# Altium PCB DD2090_4CAM_FFC.PcbDoc (part 3 of 4) (continued)
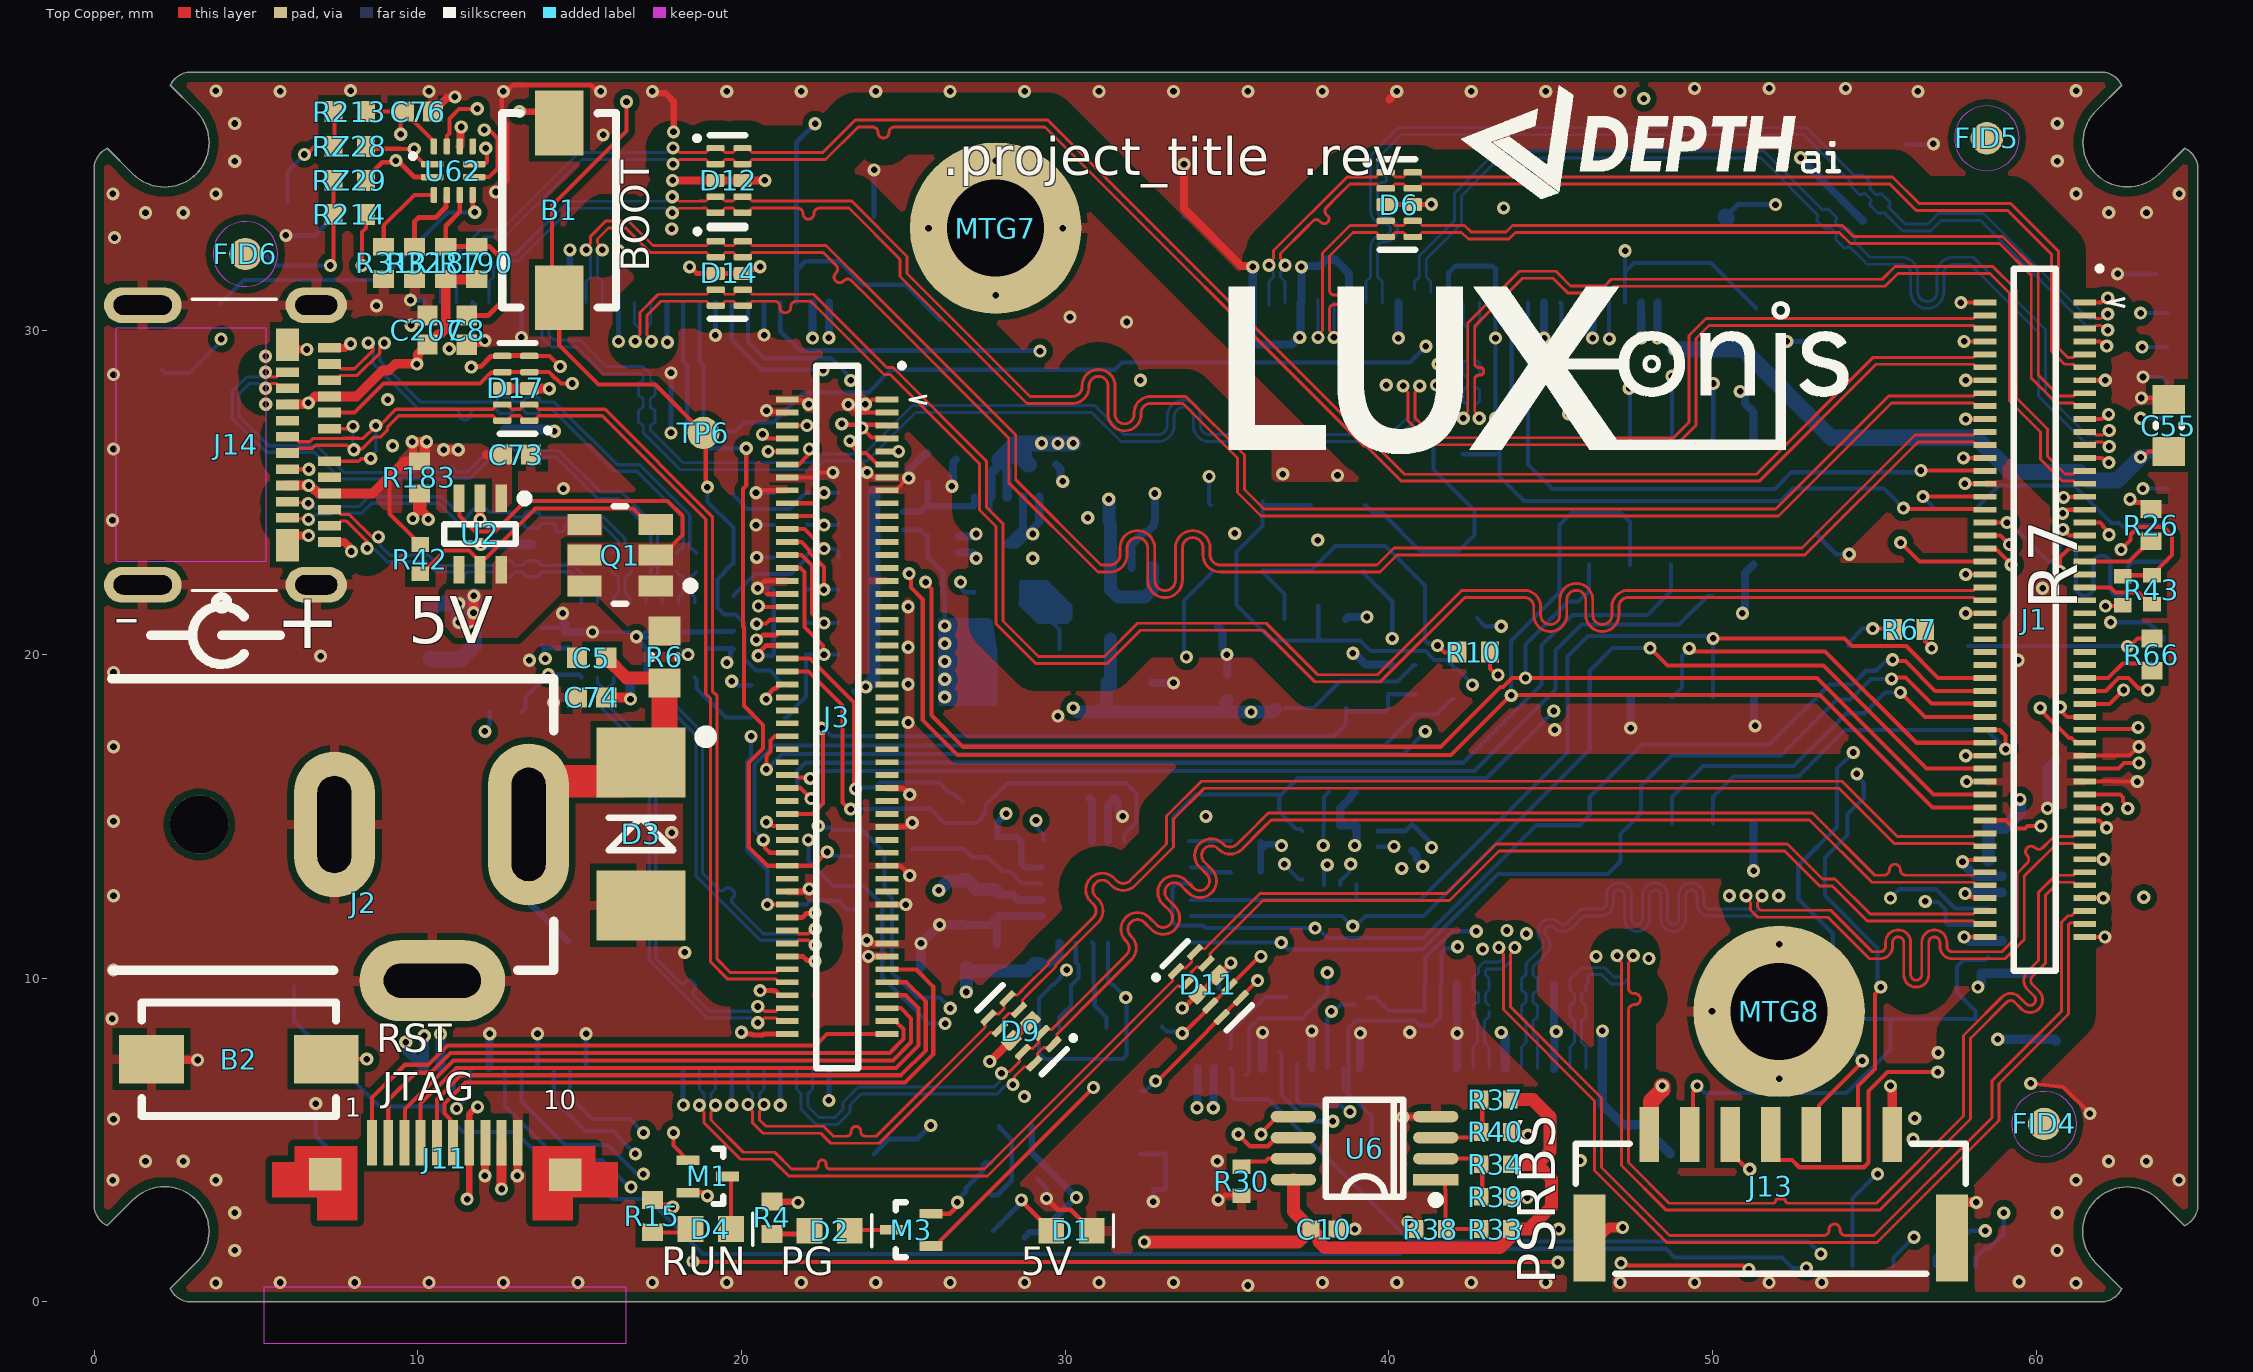
[diagram p0: Top Copper view]
## Nets (pads, with @x,y where several pads share a name; then routed paths per layer and width w, separated by ;. In a path a pad name is that pad's centre, name@x,y a point inside that pad or via, vN(x,y) a via of type N, cw(c..) or ccw(c..) an arc to the next point about the centre after c; other vN are vias at no path point) (continued)
  Layer 2 w0.127: v1(22.525,28.787) 22.931,28.787 23.019,28.875 23.725,28.875 25.825,26.775 25.825,24.714 25.55,24.439 25.55,22.454 25.69,22.315 v1(25.69,22.24)
  Bottom Layer w0.127: J10.20@19.7,30.875 19.7,29.725 20.625,28.8 22.512,28.8 v1(22.525,28.787) ; v1(44.223,19.275) 44.223,20.317 45.545,21.639 45.866,21.639 46.183,21.955 J4.2@46.183,22.775
I2C3_SDA: J1.80 J4.4 J10.21 | length 62
  Top Copper w0.127: v1(25.182,22.5) 25.235,22.447 25.235,22.181 ; 25.234,22.18 25.234,22.075 25.6,21.709 25.6,17.975 26.675,16.9 41.923,16.9 43.761,18.738 v1(43.785,18.738) ; v1@43.773,18.75 53.322,18.75 56.797,15.275 J1.80@58.42,15.275
  Layer 2 w0.127: v1(23.375,28.468) 23.778,28.468 25.538,26.707 25.538,25.297 25.225,24.984 25.225,22.543 v1(25.182,22.5)
  Bottom Layer w0.127: J10.21@20.2,30.875 20.2,29.65 20.695,29.155 22.77,29.155 23.039,28.886 23.264,28.661 23.264,28.654 23.375,28.544 v1(23.375,28.468) ; v1(43.785,18.738) 43.773,18.75 43.773,20.425 45.273,21.925 45.273,23.998 45.648,24.373 47.174,24.373 47.453,24.095 J4.4@47.453,22.775
LX1: L1.1 U1.6 U1.7 | length 2.6
  Bottom Layer w0.127: U1.7@28.7,21.925 U1.6@29.2,21.925 29.2,21.31 29.398,21.111 29.488,21.111 29.825,20.775 L1.1@29.825,20.175
MIPI1_C_N: D8.1 D8.10 J1.3 J6.8 | length 32.4
  Top Copper w0.089: J1.3@61.5,30.475 61.76,30.475 61.855,30.38 61.999,30.38 62.139,30.519 v1(62.21,30.519)
  Bottom Layer w0.089: J6.8@39.298,30.875 39.298,31.525 39.44,31.667 39.44,32.025 39.44,32.58 cw(c39.827,32.58) 39.827,32.967 39.885,32.967 ccw(c39.885,33.139) 39.885,33.31 39.827,33.31 cw(c39.827,33.698) 39.44,33.698 39.44,33.85 39.44,35.175 39.44,35.415 40.3,36.275 52.905,36.275 54.378,34.802 54.535,34.802 54.557,34.824 54.635,34.824 D8.10@54.762,34.698 54.889,34.571 54.889,34.493 54.866,34.47 54.866,34.392 55.047,34.212 55.125,34.212 55.147,34.234 55.225,34.234 D8.1@55.352,34.107 55.479,33.98 55.479,33.902 55.457,33.88 55.457,33.802 55.958,33.3 56.65,33.3 56.975,33.625 58.375,33.625 61.62,30.38 61.999,30.38 62.139,30.519 v1(62.21,30.519)
MIPI1_C_P: D8.2 D8.9 J1.5 J6.9 | length 32.3
  Top Copper w0.089: J1.5@61.5,30.075 61.76,30.075 61.849,30.164 61.999,30.164 62.139,30.024 v1(62.21,30.024)
  Bottom Layer w0.089: J6.9@39.798,30.875 39.798,31.525 39.656,31.667 39.656,32.025 39.656,32.58 cw(c39.827,32.58) 39.827,32.751 39.885,32.751 ccw(c39.885,33.139) 39.885,33.526 39.827,33.526 cw(c39.827,33.698) 39.656,33.698 39.656,33.85 39.656,34.175 39.656,34.461 cw(c39.776,34.461) 39.776,34.581 39.814,34.581 ccw(c39.814,34.702) 39.814,34.823 39.776,34.823 cw(c39.776,34.943) 39.656,34.943 39.656,35.175 39.656,35.325 40.389,36.059 52.815,36.059 54.277,34.598 54.277,34.475 54.535,34.217 54.613,34.217 54.635,34.239 54.714,34.239 54.894,34.059 54.894,33.981 54.872,33.958 54.872,33.88 D8.2@54.999,33.754 55.125,33.627 55.203,33.627 55.226,33.649 55.304,33.649 55.869,33.084 56.739,33.084 57.064,33.409 58.286,33.409 61.531,30.164 61.999,30.164 62.139,30.024 v1(62.21,30.024)
MIPI1_D0_N: D6.1 D6.10 J1.9 J6.2 | length 32.3
  Top Copper w0.089: v1(36.3,32.025) 36.3,32.096 36.44,32.236 36.44,32.483 38.715,34.758 39.615,34.758 39.671,34.813 39.671,34.845 39.726,34.9 D6.1@39.905,34.9 40.085,34.9 40.14,34.845 40.14,34.813 40.195,34.758 40.45,34.758 40.506,34.813 40.506,34.845 40.561,34.9 D6.10@40.74,34.9 40.92,34.9 40.975,34.845 40.975,34.813 41.03,34.758 55.566,34.758 56.387,33.937 59.213,33.937 60.691,32.459 60.691,29.462 60.97,29.183 61.148,29.183 61.24,29.275 J1.9@61.5,29.275
  Bottom Layer w0.089: J6.2@36.298,30.786 J6.2@36.298,30.875 36.298,31.525 36.44,31.667 36.44,31.814 36.3,31.954 v1(36.3,32.025)
MIPI1_D0_P: D6.2 D6.9 J1.11 J6.3 | length 32.3
  Top Copper w0.089: v1(36.795,32.025) 36.795,32.096 36.656,32.236 36.656,32.394 37.417,33.155 37.655,33.393 cw(c37.759,33.29) 37.862,33.393 37.902,33.353 ccw(c38.005,33.456) 38.109,33.353 ccw(c38.005,33.456) 38.109,33.56 38.068,33.6 cw(c38.172,33.703) 38.068,33.806 38.455,34.193 38.804,34.542 39.615,34.542 39.671,34.487 39.671,34.455 39.726,34.4 D6.2@39.905,34.4 40.085,34.4 40.14,34.455 40.14,34.487 40.195,34.542 40.45,34.542 40.506,34.487 40.506,34.455 40.561,34.4 D6.9@40.74,34.4 40.92,34.4 40.975,34.455 40.975,34.487 41.03,34.542 55.477,34.542 56.298,33.721 59.123,33.721 60.475,32.37 60.475,29.373 60.881,28.967 61.148,28.967 61.24,28.875 J1.11@61.5,28.875
  Bottom Layer w0.089: v1(36.795,32.025) 36.795,31.954 36.656,31.814 36.656,31.667 36.798,31.525 J6.3@36.798,30.875
MIPI1_D1_N: D6.4 D6.7 J1.15 J6.5 | length 32.3
  Top Copper w0.089: v1(37.813,29.8) 37.813,29.871 37.952,30.011 37.952,32.405 38.806,33.258 39.615,33.258 39.671,33.313 39.671,33.345 39.726,33.4 D6.4@39.905,33.4 40.085,33.4 40.14,33.345 40.14,33.313 40.195,33.258 40.45,33.258 40.506,33.313 40.506,33.345 40.561,33.4 D6.7@40.74,33.4 40.92,33.4 40.975,33.345 40.975,33.313 41.03,33.258 42.339,33.258 42.547,33.05 43.617,33.05 43.825,33.258 54.007,33.258 54.35,32.916 58.959,32.916 60.066,31.809 60.066,28.634 60.717,27.983 61.148,27.983 61.24,28.075 J1.15@61.5,28.075
  Bottom Layer w0.089: J6.5@37.798,30.964 37.813,30.95 v1(37.813,29.8)
MIPI1_D1_P: D6.5 D6.6 J1.17 J6.6 | length 32.3
  Top Copper w0.089: v1(38.308,29.8) 38.308,29.871 38.168,30.011 38.168,30.33 38.168,30.667 cw(c38.314,30.667) 38.314,30.813 38.372,30.813 ccw(c38.372,30.959) 38.372,31.105 38.314,31.105 cw(c38.314,31.251) 38.168,31.251 38.168,31.85 38.168,32.315 38.895,33.042 39.615,33.042 39.671,32.987 39.671,32.955 39.726,32.9 D6.5@39.905,32.9 40.085,32.9 40.14,32.955 40.14,32.987 40.195,33.042 40.45,33.042 40.506,32.987 40.506,32.955 40.561,32.9 D6.6@40.74,32.9 40.92,32.9 40.975,32.955 40.975,32.987 41.03,33.042 42.25,33.042 42.458,32.834 43.706,32.834 43.914,33.042 53.918,33.042 54.26,32.7 58.87,32.7 59.85,31.72 59.85,28.545 60.628,27.767 61.148,27.767 61.24,27.675 J1.17@61.5,27.675
  Bottom Layer w0.089: J6.6@38.298,30.875 38.308,30.865 v1(38.308,29.8)
MIPI1_D2_N: D8.4 D8.7 J1.21 J6.11 | length 32.3
  Top Copper w0.089: J1.21@61.5,26.875 61.76,26.875 61.852,26.783 62.05,26.783 62.189,26.923 v1(62.261,26.923)
  Bottom Layer w0.089: J6.11@40.798,31.289 40.798,31.525 40.94,31.667 40.94,32.314 42.026,33.401 42.026,34.253 43.326,35.553 51.584,35.553 53.395,33.742 53.474,33.742 53.496,33.764 53.574,33.764 D8.7@53.701,33.637 53.828,33.51 53.828,33.432 53.806,33.41 53.806,33.331 53.986,33.151 54.064,33.151 54.087,33.173 54.165,33.173 D8.4@54.291,33.046 54.418,32.92 54.418,32.842 54.396,32.819 54.396,32.741 54.625,32.512 54.862,32.275 54.875,32.275 55.832,32.275 cw(c55.832,31.765) 56.343,31.765 56.343,31.206 ccw(c56.637,31.206) 56.931,31.206 56.931,31.765 cw(c57.442,31.765) 57.442,32.275 58.055,32.275 58.375,31.955 60.291,30.039 60.291,28.067 61.575,26.783 62.05,26.783 62.189,26.923 v1(62.261,26.923)
MIPI1_D2_P: D8.5 D8.6 J1.23 J6.12 | length 32.3
  Top Copper w0.089: J1.23@61.5,26.475 61.76,26.475 61.852,26.567 62.049,26.567 62.189,26.427 v1(62.26,26.427)
  Bottom Layer w0.089: J6.12@41.298,31.2 41.298,31.525 41.156,31.667 41.156,32.225 42.242,33.311 42.242,34.164 43.415,35.337 43.725,35.337 44.01,35.337 cw(c44.01,35.216) 44.131,35.216 ccw(c44.252,35.216) 44.372,35.216 ; 44.372,35.216 cw(c44.493,35.216) 44.493,35.337 44.923,35.337 51.495,35.337 53.243,33.589 53.243,33.51 53.221,33.488 53.221,33.41 D8.6@53.347,33.283 53.474,33.156 53.552,33.156 53.575,33.179 53.653,33.179 53.833,32.998 53.833,32.92 53.811,32.898 53.811,32.82 D8.5@53.938,32.693 54.065,32.566 54.143,32.566 54.165,32.588 54.243,32.588 54.6,32.231 54.773,32.059 54.875,32.059 55.832,32.059 cw(c55.832,31.765) 56.127,31.765 56.127,31.206 ccw(c56.637,31.206) 57.147,31.206 57.147,31.765 cw(c57.442,31.765) 57.442,32.059 57.966,32.059 58.375,31.65 60.075,29.95 60.075,27.978 61.486,26.567 62.049,26.567 62.189,26.427 v1(62.26,26.427)
MIPI1_D3_N: D10.1 D10.10 J1.27 J6.14 | length 32.3
  Top Copper w0.089: v1(42.3,27.3) 42.3,27.371 42.44,27.511 42.44,29.5 42.44,30.242 44.039,31.841 45.167,31.841 45.617,31.391 46.672,31.391 46.875,31.594 55.244,31.594 55.641,31.991 58.659,31.991 59.391,31.259 59.391,27.925 60.35,26.966 60.35,26.125 60.892,25.583 61.148,25.583 61.24,25.675 J1.27@61.5,25.675
  Bottom Layer w0.089: J6.14@42.298,30.875 42.298,30.225 42.44,30.083 42.44,29.125 42.384,29.07 42.353,29.07 42.298,29.015 D10.1@42.298,28.835 42.298,28.656 42.353,28.6 42.384,28.6 42.44,28.545 42.44,28.29 42.384,28.235 42.353,28.235 42.298,28.18 D10.10@42.298,28 42.298,27.821 42.353,27.765 42.384,27.765 42.44,27.71 42.44,27.511 42.3,27.371 v1(42.3,27.3)
MIPI1_D3_P: D10.2 D10.9 J1.29 J6.15 | length 32.3
  Top Copper w0.089: v1(42.795,27.3) 42.795,27.371 42.656,27.511 42.656,28.225 42.656,28.511 cw(c42.776,28.511) 42.776,28.631 42.814,28.631 ccw(c42.814,28.752) 42.814,28.873 42.776,28.873 cw(c42.776,28.993) 42.656,28.993 42.656,29.5 42.656,30.153 44.128,31.625 45.078,31.625 45.325,31.378 45.528,31.175 46.762,31.175 46.964,31.378 55.333,31.378 55.73,31.775 58.57,31.775 59.175,31.17 59.175,27.836 60.134,26.876 60.134,26.036 60.803,25.367 61.148,25.367 61.24,25.275 J1.29@61.5,25.275
  Bottom Layer w0.089: v1(42.795,27.3) 42.795,27.371 42.656,27.511 42.656,27.71 42.711,27.765 42.743,27.765 42.798,27.821 D10.9@42.798,28 42.798,28.18 42.743,28.235 42.711,28.235 42.656,28.29 42.656,28.545 42.711,28.6 42.743,28.6 42.798,28.656 D10.2@42.798,28.835 42.798,29.015 42.743,29.07 42.711,29.07 42.656,29.125 42.656,30.083 42.798,30.225 J6.15@42.798,30.875
MIPI2_C_N: D13.1 D13.10 J1.4 J10.8 | length 57.1
  Top Copper w0.089: v1(40.956,28.3) 40.956,28.238 40.807,28.089 40.807,27.315 41.425,26.697 48.795,26.697 49.273,27.175 49.273,29.855 49.8,30.383 57.718,30.383 58.068,30.383 58.16,30.475 J1.4@58.42,30.475
  Bottom Layer w0.089: J10.8@13.7,30.875 13.7,30.225 13.842,30.083 13.842,29.786 14.127,29.501 14.919,29.501 15.735,28.685 16.874,28.685 16.967,28.592 16.967,28.483 16.912,28.427 16.88,28.427 16.825,28.372 D13.1@16.825,28.192 16.825,28.013 16.88,27.958 16.912,27.958 16.967,27.902 16.967,27.648 16.912,27.592 16.88,27.592 16.825,27.537 D13.10@16.825,27.357 16.825,27.178 16.88,27.123 16.912,27.123 16.967,27.067 16.967,26.85 18.108,25.71 22.259,25.71 22.528,25.979 23.879,25.979 25.375,27.475 30.825,27.475 31.722,26.578 32.707,26.578 32.859,26.578 ccw(c32.859,27.088) 33.37,27.088 33.37,27.351 cw(c33.664,27.351) 33.959,27.351 33.959,27.088 ccw(c34.469,27.088) 34.469,26.578 36.573,26.578 40.134,26.578 40.807,27.251 40.807,28.089 40.956,28.238 v1(40.956,28.3)
MIPI2_C_P: D13.2 D13.9 J1.6 J10.9 | length 57.1
  Top Copper w0.089: v1(40.443,28.3) 40.443,28.238 40.592,28.089 40.592,27.226 41.336,26.481 48.884,26.481 49.489,27.086 49.489,29.766 49.89,30.167 57.629,30.167 58.068,30.167 58.16,30.075 J1.6@58.42,30.075
  Bottom Layer w0.089: J10.9@14.2,30.875 14.2,30.225 14.058,30.083 14.058,29.875 14.216,29.716 15.009,29.716 15.824,28.901 16.964,28.901 17.183,28.682 17.183,28.483 17.238,28.427 17.27,28.427 17.325,28.372 D13.2@17.325,28.192 17.325,28.013 17.27,27.958 17.238,27.958 17.183,27.902 17.183,27.648 17.238,27.592 17.27,27.592 17.325,27.537 D13.9@17.325,27.357 17.325,27.178 17.27,27.123 17.238,27.123 17.183,27.067 17.183,26.94 18.197,25.926 22.17,25.926 22.439,26.195 23.79,26.195 25.286,27.691 30.914,27.691 31.812,26.794 32.707,26.794 32.859,26.794 ccw(c32.859,27.088) 33.154,27.088 33.154,27.351 cw(c33.664,27.351) 34.175,27.351 34.175,27.088 ccw(c34.469,27.088) 34.469,26.794 36.573,26.794 37.631,26.794 38.943,26.794 ccw(c38.943,26.94) 39.089,26.94 39.089,26.952 cw(c39.235,26.952) 39.381,26.952 39.381,26.94 ccw(c39.527,26.94) 39.527,26.794 39.864,26.794 40.045,26.794 40.592,27.341 40.592,28.089 40.443,28.238 v1(40.443,28.3)
MIPI2_D0_N: D12.1 D12.10 J1.10 J10.2 | length 57.1
  Top Copper w0.089: v1(17.885,35.654) 17.953,35.654 18.095,35.512 18.521,35.512 18.525,35.508 18.908,35.508 18.963,35.563 18.963,35.595 19.018,35.65 D12.1@19.198,35.65 19.377,35.65 19.432,35.595 19.432,35.563 19.488,35.508 19.743,35.508 19.798,35.563 19.798,35.595 19.853,35.65 D12.10@20.033,35.65 20.212,35.65 20.267,35.595 20.267,35.563 20.323,35.508 22.511,35.508 23.519,36.516 29.463,36.516 39.315,26.665 39.388,26.665 40.481,25.572 51.356,25.572 54.966,29.183 57.743,29.183 58.068,29.183 58.16,29.275 J1.10@58.42,29.275
  Bottom Layer w0.089: J10.2@10.7,30.875 10.7,31.525 10.842,31.667 10.842,32.014 11.944,33.116 12.586,33.116 14.982,35.512 17.674,35.512 17.816,35.654 v1(17.885,35.654)
MIPI2_D0_P: D12.2 D12.9 J1.12 J10.3 | length 57.2
  Top Copper w0.089: v1(17.885,35.154) 17.954,35.154 18.096,35.296 18.431,35.296 18.435,35.292 18.908,35.292 18.963,35.237 18.963,35.205 19.018,35.15 D12.2@19.198,35.15 19.377,35.15 19.432,35.205 19.432,35.237 19.488,35.292 19.743,35.292 19.798,35.237 19.798,35.205 19.853,35.15 D12.9@20.033,35.15 20.212,35.15 20.267,35.205 20.267,35.237 20.323,35.292 22.6,35.292 23.608,36.3 23.667,36.3 24.05,36.3 cw(c24.05,36.131) 24.22,36.131 24.22,36.126 ccw(c24.389,36.126) 24.389,35.957 ; 24.389,35.957 ccw(c24.389,36.126) 24.558,36.126 24.558,36.131 cw(c24.728,36.131) 24.728,36.3 25.546,36.3 29.374,36.3 39.225,26.449 39.299,26.449 40.391,25.356 51.445,25.356 55.056,28.967 57.654,28.967 58.068,28.967 58.16,28.875 J1.12@58.42,28.875
  Bottom Layer w0.089: J10.3@11.2,30.875 11.2,31.525 11.058,31.667 11.058,31.925 12.033,32.9 12.675,32.9 15.071,35.296 17.674,35.296 17.816,35.154 v1(17.885,35.154)
MIPI2_D1_N: D12.4 D12.7 J1.16 J10.5 | length 57.2
  Top Copper w0.089: v1(17.861,34.144) 17.932,34.144 18.072,34.005 18.705,34.005 18.709,34.008 18.908,34.008 18.963,34.063 18.963,34.095 19.018,34.15 D12.4@19.198,34.15 19.377,34.15 19.432,34.095 19.432,34.063 19.488,34.008 19.743,34.008 19.798,34.063 19.798,34.095 19.853,34.15 D12.7@20.033,34.15 20.212,34.15 20.267,34.095 20.267,34.063 20.323,34.008 23.408,34.008 25.116,32.3 25.116,31.772 28.913,27.975 30.075,27.975 30.227,27.975 ccw(c30.227,28.269) 30.522,28.269 30.522,28.299 cw(c31.032,28.299) 31.543,28.299 31.543,27.423 ccw(c31.837,27.423) 32.131,27.423 32.131,27.465 cw(c32.642,27.465) 32.642,27.975 33.375,27.975 33.729,27.975 35.539,26.164 35.539,25.098 36.143,24.494 51.952,24.494 55.441,27.983 57.846,27.983 58.068,27.983 58.16,28.075 J1.16@58.42,28.075
  Bottom Layer w0.089: J10.5@12.2,30.875 12.2,31.525 12.342,31.667 12.342,31.947 12.761,32.366 13.011,32.366 14.649,34.005 17.65,34.005 17.79,34.144 v1(17.861,34.144)
MIPI2_D1_P: D12.5 D12.6 J1.18 J10.6 | length 57.2
  Top Copper w0.089: v1(17.861,33.649) 17.932,33.649 18.072,33.789 18.795,33.789 18.798,33.792 18.908,33.792 18.963,33.737 18.963,33.705 19.018,33.65 D12.5@19.198,33.65 19.377,33.65 19.432,33.705 19.432,33.737 19.488,33.792 19.743,33.792 19.798,33.737 19.798,33.705 19.853,33.65 D12.6@20.033,33.65 20.212,33.65 20.267,33.705 20.267,33.737 20.323,33.792 21.35,33.792 21.733,33.792 cw(c21.733,33.623) 21.903,33.623 21.903,33.62 ccw(c22.072,33.62) 22.072,33.451 ccw(c22.072,33.62) 22.242,33.62 22.242,33.623 cw(c22.411,33.623) 22.411,33.792 23.3,33.792 23.319,33.792 24.9,32.211 24.9,31.683 28.824,27.759 30.075,27.759 30.227,27.759 ccw(c30.227,28.269) 30.738,28.269 30.738,28.299 cw(c31.032,28.299) 31.327,28.299 31.327,27.423 ccw(c31.837,27.423) 32.347,27.423 32.347,27.465 cw(c32.642,27.465) 32.642,27.759 33.375,27.759 33.639,27.759 35.323,26.075 35.323,25.008 36.054,24.278 52.041,24.278 55.531,27.767 57.756,27.767 58.068,27.767 58.16,27.675 J1.18@58.42,27.675
  Bottom Layer w0.089: J10.6@12.7,30.875 12.7,31.525 12.558,31.667 12.558,31.858 12.85,32.15 13.1,32.15 14.739,33.789 17.65,33.789 17.79,33.649 v1(17.861,33.649)
MIPI2_D2_N: D14.1 D14.10 J1.22 J10.11 | length 57.1
  Top Copper w0.089: v1(15.202,32.5) 15.202,32.571 15.342,32.711 15.342,32.926 15.807,33.391 16.514,33.391 17.272,32.633 18.917,32.633 18.973,32.688 18.973,32.72 19.028,32.775 D14.1@19.208,32.775 19.387,32.775 19.442,32.72 19.442,32.688 19.498,32.633 19.752,32.633 19.808,32.688 19.808,32.72 19.863,32.775 D14.10@20.042,32.775 20.222,32.775 20.277,32.72 20.277,32.688 20.333,32.633 20.442,32.633 20.45,32.641 22.614,32.641 24.09,31.165 28.475,26.78 28.475,25.398 31.107,22.766 31.225,22.766 31.377,22.766 ccw(c31.377,23.085) 31.697,23.085 31.697,23.293 cw(c32.232,23.293) 32.232,23.829 cw(c32.232,23.293) 32.768,23.293 32.768,22.296 ccw(c33.087,22.296) 33.087,21.977 ccw(c33.087,22.296) 33.406,22.296 33.406,23.293 cw(c33.942,23.293) 33.942,23.829 cw(c33.942,23.293) 34.477,23.293 34.477,23.085 ccw(c34.797,23.085) 34.797,22.766 35.994,22.766 39.639,22.766 40.164,23.291 52.764,23.291 56.256,26.783 57.668,26.783 58.068,26.783 58.16,26.875 J1.22@58.42,26.875
  Bottom Layer w0.089: J10.11@15.2,30.875 15.2,31.525 15.342,31.667 15.342,32.289 15.202,32.429 v1(15.202,32.5)
MIPI2_D2_P: D14.2 D14.9 J1.24 J10.12 | length 57.1
  Top Copper w0.089: v1(15.698,32.5) 15.698,32.571 15.558,32.711 15.558,32.836 15.897,33.175 16.425,33.175 17.183,32.417 18.917,32.417 18.973,32.362 18.973,32.33 19.028,32.275 D14.2@19.208,32.275 19.387,32.275 19.442,32.33 19.442,32.362 19.498,32.417 19.752,32.417 19.808,32.362 19.808,32.33 19.863,32.275 D14.9@20.042,32.275 20.222,32.275 20.277,32.33 20.277,32.362 20.333,32.417 20.532,32.417 20.54,32.425 22.525,32.425 22.65,32.3 22.921,32.029 cw(c22.801,31.909) 22.921,31.789 22.912,31.781 ccw(c23.032,31.661) 22.912,31.541 ccw(c23.032,31.661) 23.152,31.541 23.161,31.55 cw(c23.281,31.43) 23.4,31.55 23.938,31.013 28.259,26.691 28.259,25.308 31.017,22.55 31.225,22.55 31.377,22.55 ccw(c31.377,23.085) 31.913,23.085 31.913,23.293 cw(c32.232,23.293) 32.232,23.613 cw(c32.232,23.293) 32.552,23.293 32.552,22.296 ccw(c33.087,22.296) 33.087,21.761 ccw(c33.087,22.296) 33.622,22.296 33.622,23.293 cw(c33.942,23.293) 33.942,23.613 cw(c33.942,23.293) 34.261,23.293 34.261,23.085 ccw(c34.797,23.085) 34.797,22.55 35.994,22.55 39.728,22.55 40.253,23.075 52.853,23.075 56.345,26.567 57.579,26.567 58.068,26.567 58.16,26.475 J1.24@58.42,26.475
  Bottom Layer w0.089: v1(15.698,32.5) 15.698,32.429 15.558,32.289 15.558,31.667 15.7,31.525 J10.12@15.7,30.875
MIPI2_D3_N: D14.4 D14.7 J1.46 J10.14 | length 57.1
  Top Copper w0.089: v1(16.722,29.675) 16.722,29.746 16.861,29.886 16.861,30.567 17.428,31.133 18.917,31.133 18.973,31.188 18.973,31.22 19.028,31.275 D14.4@19.208,31.275 19.387,31.275 19.442,31.22 19.442,31.188 19.498,31.133 19.752,31.133 19.808,31.188 19.808,31.22 19.863,31.275 D14.7@20.042,31.275 20.222,31.275 20.277,31.22 20.277,31.188 20.333,31.133 22.222,31.133 22.453,30.903 24.49,28.865 24.685,28.865 27.566,25.984 27.566,24.559 28.082,24.043 28.082,21.041 29.182,19.941 31.214,19.941 32.239,20.966 36.212,20.966 37.803,19.375 39.648,19.375 42.256,21.983 43.225,21.983 44.182,21.983 cw(c44.182,21.473) 44.693,21.473 44.693,21.222 ccw(c44.987,21.222) 45.281,21.222 45.281,21.69 cw(c45.792,21.69) 46.302,21.69 46.302,21.222 ccw(c46.597,21.222) 46.891,21.222 46.891,21.473 cw(c47.401,21.473) 47.401,21.983 48.345,21.983 58.068,21.983 58.16,22.075 J1.46@58.42,22.075
  Bottom Layer w0.089: J10.14@16.7,30.875 16.7,30.225 16.842,30.083 16.842,29.881 16.722,29.761 v1(16.722,29.675)
MIPI2_D3_P: D14.5 D14.6 J1.48 J10.15 | length 57.2
  Top Copper w0.089: v1(17.217,29.675) 17.217,29.746 17.077,29.886 17.077,30.477 17.517,30.917 18.917,30.917 18.973,30.862 18.973,30.83 19.028,30.775 D14.5@19.208,30.775 19.387,30.775 19.442,30.83 19.442,30.862 19.498,30.917 19.752,30.917 19.808,30.862 19.808,30.83 19.863,30.775 D14.6@20.042,30.775 20.222,30.775 20.277,30.83 20.277,30.862 20.333,30.917 20.633,30.917 21.016,30.917 cw(c21.016,30.748) 21.186,30.748 21.186,30.728 ccw(c21.355,30.728) 21.355,30.558 ccw(c21.355,30.728) 21.525,30.728 21.525,30.748 cw(c21.694,30.748) 21.694,30.917 22.133,30.917 22.3,30.75 24.401,28.649 24.595,28.649 27.35,25.895 27.35,24.47 27.866,23.954 27.866,20.952 29.092,19.725 31.303,19.725 32.328,20.75 36.123,20.75 37.714,19.159 39.737,19.159 42.345,21.767 43.225,21.767 44.182,21.767 cw(c44.182,21.473) 44.477,21.473 44.477,21.222 ccw(c44.987,21.222) 45.497,21.222 45.497,21.69 cw(c45.792,21.69) 46.086,21.69 46.086,21.222 ccw(c46.597,21.222) 47.107,21.222 47.107,21.473 cw(c47.401,21.473) 47.401,21.767 48.345,21.767 58.068,21.767 58.16,21.675 J1.48@58.42,21.675
  Bottom Layer w0.089: J10.15@17.2,30.875 17.2,30.225 17.058,30.083 17.058,29.886 17.217,29.727 v1(17.217,29.675)
MODULE_nRST: B2.2 J4.1 J13.3 M1.1 R7.2 R43.2 | length 126.8
  Top Copper w0.127: B2.2@7.175,7.5 v1(8.425,7.5) ; v1(17.9,5.225) 17.9,4.828 M1.1@18.353,4.375 M1.1@18.558,4.375 ; v1(18.5,1.25) 18.513,1.238 45.212,1.238 v1(45.225,1.225) ; v1(47.175,1.2) 47.228,1.147 47.368,1.147 47.389,1.125 50.931,1.125 51.049,1.007 v1(51.125,1.007) ; J13.3@50.55,5.175 50.55,4.625 51.075,4.1 v1(51.15,4.1) ; v1@62.582,23.2 v1(62.625,23.243) 62.918,23.536 62.918,23.701 63.157,23.94 63.943,23.94 64.2,23.683 64.2,23.075 R43.2@63.625,22.5 ; R7.2@62.675,22.425 62.7,22.45 R43.2@63.575,22.45
  Layer 2 w0.127: v1(8.425,7.5) 10.979,4.946 15.346,4.946 16.125,5.725 17.423,5.725 v1@17.911,5.236 ; v1(17.9,5.225) 18.125,5 31.185,5 31.948,5.763 31.948,7.25 33.073,8.375 33.073,9.473 35.8,12.2 40.9,12.2 42.15,13.45 42.15,24.036 v1(45.548,27.434) 48.207,27.434 49.616,28.843 56.936,28.843 58.883,26.897 58.883,24.813 60.496,23.2 62.582,23.2 v1(62.625,23.243) ; v1(45.225,1.225) 45.237,1.212 47.163,1.212 v1(47.175,1.2) ; v1(51.125,1.007) 51.125,1.021 51.325,1.221 51.325,3.886 51.15,4.061 v1(51.15,4.1)
  Layer 3 w0.127: v1(17.9,5.225) 17.9,3.575 18.525,2.95 18.525,1.275 v1(18.5,1.25)
  Bottom Layer w0.127: v1(45.548,27.434) 45.866,27.434 46.183,27.118 J4.1@46.183,26.675
NetD1_2: D1.2 R3.1 | length 2.7
  Top Copper w0.15: v1(28.65,3.15) 28.65,3.123 D1.2@29.573,2.2
  Bottom Layer w0.15: R3.1@27.768,2.2 27.775,2.2 28.601,3.026 28.601,3.101 v1(28.65,3.15)
NetD2_1: D2.1 M3.3 | length 1.3
  Top Copper w0.127: D2.1@23.348,2.2 23.373,2.225 M3.3@24.638,2.225
NetD2_2: D2.2 R4.1 | length 1.2
  Top Copper w0.15: R4.1@20.948,2.1 21.998,2.1 D2.2@22.098,2.2
NetD4_1: D4.1 M1.3 | length 1.7
  Top Copper w0.127: M1.3@19.573,3.875 19.586,3.875 19.673,3.789 D4.1@19.673,2.25
NetD4_2: D4.2 R15.1 | length 1.2
  Top Copper w0.127: R15.1@17.248,2.15 18.323,2.15 D4.2@18.423,2.25
NetJ1_39: J1.39 R7.1 | length 3.7
  Top Copper w0.127: v1(60.729,22.567) 60.729,22.992 61.012,23.275 J1.39@61.5,23.275 ; v1(62.141,21.495) 62.645,21.495 R7.1@62.675,21.525
  Layer 2 w0.127: v1(60.729,22.567) 60.782,22.514 61.122,22.514 v1(62.141,21.495)
NetJ1_41: J1.41 R26.2 | length 2.3
  Top Copper w0.127: J1.41@61.5,22.875 62.875,22.875 63.5,23.5 R26.2@63.55,23.5
NetJ1_42: J1.42 R10.2 | length 18.2
  Top Copper w0.127: R10.2@43.123,20.075 43.123,19.572 43.326,19.368 v1(43.373,19.368) ; v1(55.81,23.46) 56.399,22.872 58.417,22.872 J1.42@58.42,22.875
  Layer 2 w0.127: v1(43.373,19.368) 43.795,19.368 45.295,20.868 50.448,20.868 50.884,20.432 52.781,20.432 v1(55.81,23.46)
NetJ1_45: J1.45 R43.1 | length 2.3
  Top Copper w0.127: J1.45@61.5,22.075 62.292,22.075 62.451,21.915 63.16,21.915 63.525,21.55 R43.1@63.575,21.55
NetJ3_72: J3.72 R12.2 | length 25.9
  Top Copper w0.127: v1(20.675,14.275) 20.728,14.222 20.728,14.024 20.874,13.878 21.412,13.878 J3.72@21.415,13.875
  Bottom Layer w0.127: v1(20.675,14.275) 20.404,14.546 20.404,16.603 20.989,17.188 39.862,17.188 40.823,18.149 41.474,18.149 41.95,18.625 R12.2@42,18.625
NetJ13_5: J13.5 R27.2 | length 30
  Top Copper w0.127: J13.5@53.05,5.175 53.286,5.412 53.286,6.061 54.625,7.4 v1(54.625,7.45)
  Layer 2 w0.127: v1(43.473,20.875) 43.498,20.85 43.498,20.275 43.005,19.782 43.005,18.343 44.098,17.25 53.19,17.25 53.376,17.436 54.264,17.436 54.339,17.361 54.339,16.986 v1(54.35,16.975)
  Bottom Layer w0.127: R27.2@42.723,21.125 42.973,20.875 v1(43.473,20.875) ; v1(54.35,16.975) 53.85,16.475 53.85,14.675 52.65,13.475 52.65,12.45 53.725,11.375 53.725,8.081 54.039,7.768 54.307,7.768 v1(54.625,7.45)
NetQ1_1: Q1.1 Q1.2 Q1.5 Q1.6 R6.2 U2.3 | length 9.9
  Top Copper w0.127: U2.3@11.275,24.825 11.295,24.805 11.295,24.284 11.772,23.807 12.39,23.807 13.327,24.744 17.72,24.744 18.175,24.288 18.175,23.695 17.555,23.075 Q1.2@17.35,23.075
NetQ1_3: Q1.3 R42.2 U2.5 | length 8.8
  Top Copper w0.127: R42.2@10.075,22.5 10.125,22.5 10.84,23.215 11.585,23.215 U2.5@11.925,22.875 ; U2.5@11.925,22.625 U2.5@11.925,22.875 ; Q1.3@17.35,24.025 17.145,24.025 16.655,24.515 13.632,24.515 12.103,22.986 12.037,22.986 U2.5@11.925,22.875
NetR30_2: R30.2 U6.7 | length 1.7
  Top Copper w0.127: R30.2@35.45,4.175 35.612,4.337 36.187,4.337 36.275,4.425 U6.7@37.05,4.425
NetR185_1: R185.1 U61.2 | length 2.4
  Bottom Layer w0.127: U61.2@18.553,19.299 18.615,19.238 18.615,18.952 19.516,18.05 R185.1@20.298,18.05
NetR186_1: R186.1 TP41.1 U61.9 U62.11 | length 38.2
  Top Copper w0.127: U62.11@10.898,35.7 10.904,35.706 10.904,36.03 10.977,36.102 10.977,36.554 11.273,36.85 11.83,36.85 v1(11.84,36.86)
  Layer 3 w0.127: v1(11.84,36.86) 8.683,36.86 3.948,32.125 3.948,21.6 6.173,19.375 v1(14.036,19.375)
  Bottom Layer w0.127: TP41.1@2.075,28.8 2.175,28.7 2.95,28.7 3.925,29.675 v1(3.925,29.75) ; R186.1@13.225,18.225 13.327,18.327 13.327,18.666 v1(14.036,19.375) 14.992,19.375 15.053,19.313 U61.9@15.053,19.299
NetR213_1: R213.1 RZ28.1 TP44.1 U62.7 | length 12.3
  Top Copper w0.127: v1(6.498,35.45) 6.573,35.45 6.798,35.675 7.373,35.675 7.423,35.725 R213.1@7.423,36.775 ; U62.7@11.748,34.75 12.205,34.75 12.472,35.017 12.472,35.947 12.263,36.157 12.109,36.157 v1(12.056,36.21)
  Layer 2 w0.127: v1(6.498,35.45) 7.773,36.725 11.455,36.725 11.688,36.492 11.774,36.492 v1(12.056,36.21)
  Bottom Layer w0.127: TP44.1@5.975,34 5.975,34.927 v1(6.498,35.45)
NetR214_1: R214.1 RZ29.1 TP43.1 U62.8 | length 15
  Top Copper w0.127: v1@7.398,32.123 R214.1@7.398,33.6 7.398,34.575 7.423,34.6 RZ29.1@7.423,34.65 ; U62.8@11.748,35.15 11.995,35.15 12.032,35.186 12.103,35.186 12.141,35.224 12.141,35.604 v1(12.102,35.643)
  Layer 2 w0.127: v1(7.3,32.02) 7.073,32.248 7.073,35.45 8.066,36.443 10.679,36.443 11.193,35.93 11.571,35.93 11.829,35.672 12.073,35.672 v1(12.102,35.643)
  Bottom Layer w0.127: TP43.1@5.125,32.3 5.356,32.3 5.636,32.02 v1(7.3,32.02)
NetTP42_1: TP42.1 U62.6 | length 9.6
  Top Copper w0.127: U62.6@11.698,34.2 11.698,33.725 v1(11.76,33.663)
  Bottom Layer w0.127: TP42.1@3.875,30.825 4.625,31.575 8.85,31.575 10.938,33.663 v1(11.76,33.663)
PGOOD: U1.9
RXB_N: D16.2 D16.9 J14.B10 U61.17 | length 20.7
  Top Copper w0.102: v1(5.298,28.227) 5.327,28.227 5.473,28.373 5.627,28.373 5.775,28.225 J14.B10@5.975,28.225
  Bottom Layer w0.102: v1(5.298,28.227) 5.232,28.227 5.086,28.373 4.941,28.373 4.939,28.372 4.797,28.372 4.475,28.05 4.475,27.375 4.688,27.163 4.8,27.05 5.4,26.45 6.887,26.45 7.712,25.625 9.23,25.625 9.807,25.625 ccw(c9.807,25.801) 9.983,25.801 cw(c10.159,25.801) 10.159,25.977 cw(c10.159,25.801) 10.335,25.801 ccw(c10.51,25.801) 10.51,25.625 10.748,25.625 10.825,25.702 10.914,25.79 11.082,25.79 11.226,25.646 11.538,25.646 12.193,26.302 12.406,26.302 12.466,26.361 12.466,26.401 12.515,26.45 12.88,26.45 12.929,26.401 12.929,26.361 12.989,26.302 13.241,26.302 13.301,26.361 13.301,26.401 13.35,26.45 D16.9@13.533,26.45 13.715,26.45 13.764,26.401 13.764,26.361 13.824,26.302 14.358,26.302 15.635,25.025 16.282,25.025 17.405,23.902 17.405,21.908 17.464,21.848 17.479,21.848 17.553,21.774 U61.17@17.553,21.599